# Allegro board Mic_Array_main_250pcs_release.brd (continued)
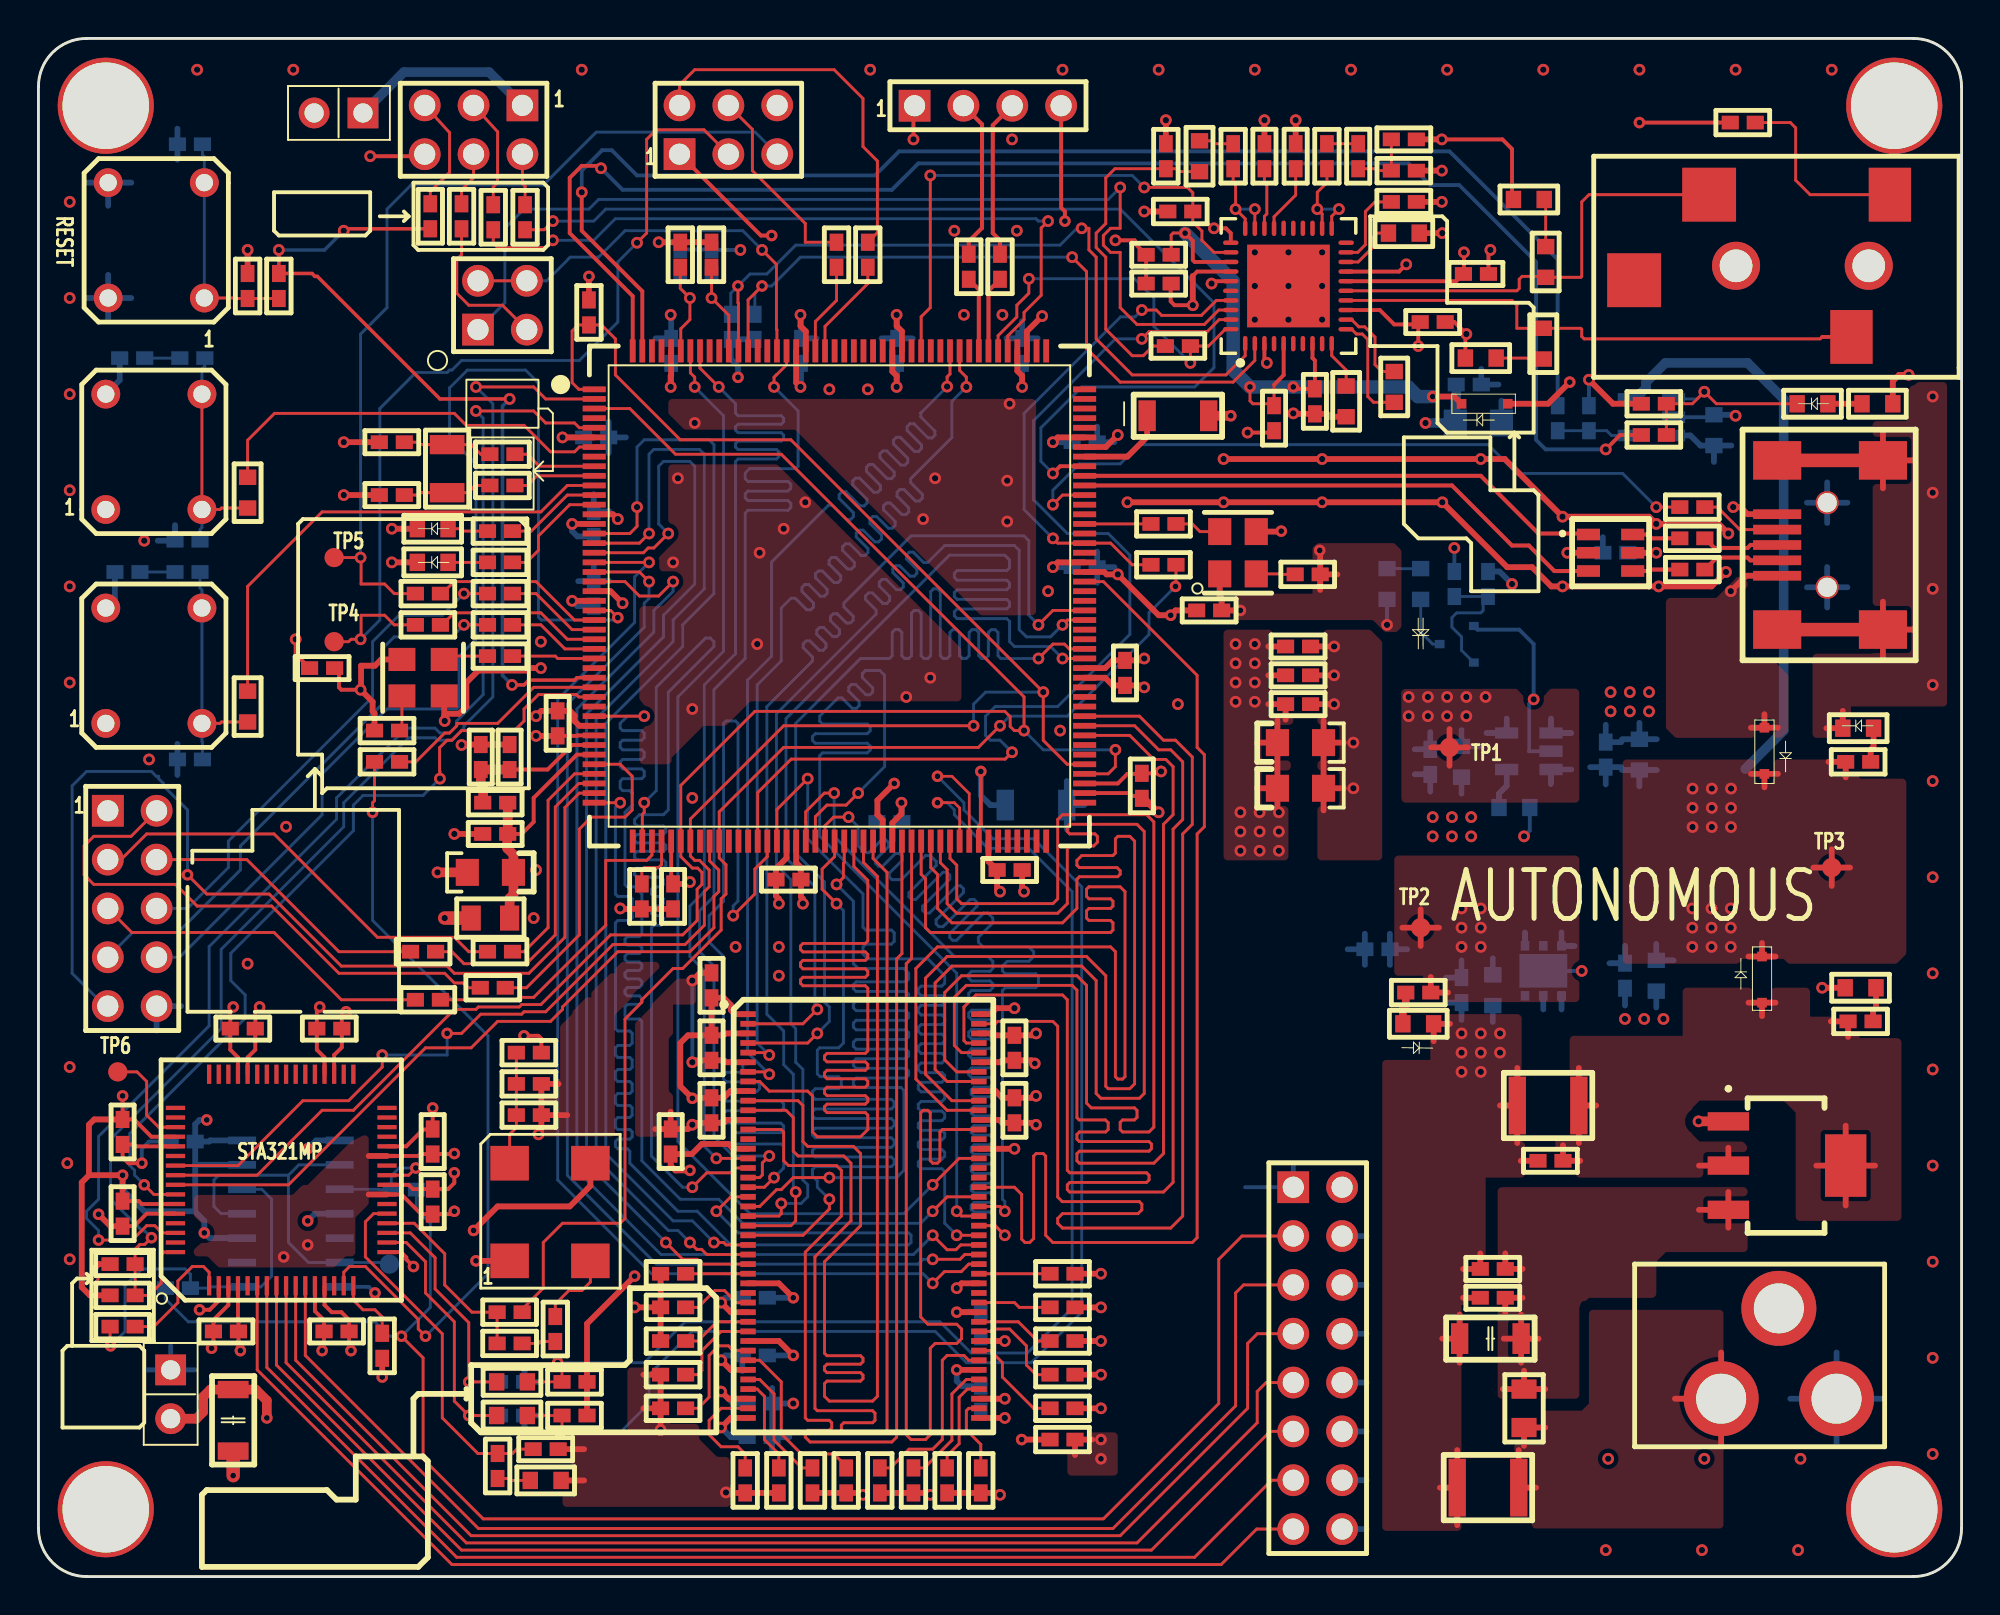
[diagram p0: board, top side]
## Routing (per net, layer and track width the routed paths; a pad name or vN(x,y) marks a point on that pad's centre or on a via; arc(x,y) is an arc through that point) (continued)
VDDA: length 13.2
  TOP w0.2: C51.2 25.12,38.62 25.75,39.25 25.75,40.5 28,42.75 U8.39
  TOP w0.5: R67.2 C51.2 24.38,38.6 24.38,37.88 24.7,37.55 C50.1 24.7,35.48 24.5,35.28 L2.2
BICKO: length 104.4
  TOP w0.15: U8.93 53.49,42.25 52.25,43.49 v2(52.25,46) 39.12,59.12 33.38,59.12 30,62.5 30,64.38 29.28,65.1 R119.2 28.07,65.1 27.75,64.78 27.75,62.1 28.1,61.75 U8.1 ; v2(48.62,44.25) 38.75,44.25 33.9,39.4 U8.51 33.9,37.47 34.12,37.25 34.38,37.25 34.88,36.75 34.88,35.88 34.62,35.62 34.62,33.88 33.62,32.88 29.88,32.88 26.38,29.38 25.25,29.38 25.12,29.25 23,29.25 22,28.25 v1(21.25,28.25) ; v1(17.88,27.12) 17.88,26.5 16.12,24.75 13.75,24.75 10.38,21.38 U12.55
  BOTTOM w0.15: v1(17.88,27.12) 21.25,27.12 v1(21.25,28.25) ; v2(48.62,44.25) 48.62,45.38 49.25,46 v2(52.25,46)
CKOUT: length 6.5
  TOP w0.15: U12.25 19.25,20.88 v1(19.62,21.25)
  BOTTOM w0.15: U14.3 17.68,20.14 17.7,20.12 R107.1 18.35,20.85 18.75,21.25 v1(19.62,21.25)
CKOUT_4: length 19.3
  TOP w0.15: v1(3.75,12) 3.72,12.03 R105.2
  BOTTOM w0.15: U14.12 11.61,20.14 12.12,19.62 12.12,15.62 11.56,15.06 U14.8 8.94,15.06 8.88,15 R106.1 7.9,15.72 7.62,16 5.38,16 4.5,15.12 4.5,12.75 v1(3.75,12)
FMC_A0: length 59.3
  TOP w0.15: U8.16 30.75,54.25 31.12,54.62 v2(31.12,55.62) ; U10.25 35.76,17.25 35.63,17.38 v2(35.12,17.38)
  BOTTOM w0.15: v2(35.12,17.38) 34,18.5 33,18.5 29.5,22 29.5,44.38 33.5,48.38 33.5,49.5 35.12,51.12 35.12,58.88 34.88,59.12 31.5,59.12 31.12,58.75 v2(31.12,55.62)
FMC_A1: length 59.2
  TOP w0.15: v2(31.75,54.25) 31.25,53.75 U8.17 ; v2(33.88,17.38) 34.23,17.02 34.48,17.02 34.75,16.75 U10.26
  BOTTOM w0.15: v2(33.88,17.38) 33.25,18 32.75,18 29,21.75 29,44.62 33,48.62 33,49.75 34.62,51.38 34.62,58.38 34.38,58.62 32,58.62 31.75,58.38 v2(31.75,54.25)
FMC_A2: length 59.2
  TOP w0.15: v2(32.62,17.38) 33.5,16.5 34.25,16.5 34.5,16.25 U10.27 ; U8.18 31.46,53.25 31.71,53.5 32,53.5 v2(32.75,54.25)
  BOTTOM w0.15: v2(32.75,54.25) 32.25,54.75 32.25,57.75 32.5,58 33.88,58 34.12,57.75 34.12,51.62 32.5,50 32.5,48.88 28.5,44.88 28.5,21.5 v2(32.62,17.38)
FMC_A3: length 61.5
  TOP w0.15: U10.60 48.38,16.25 47.98,15.86 47.11,15.86 v2(46.5,15.25) ; v2(31.75,52.75) U8.19
  BOTTOM w0.15: v2(46.5,15.25) 46,15.75 31.88,15.75 27,20.62 27,45.62 31,49.62 31,52 v2(31.75,52.75)
FMC_A4: length 59.2
  TOP w0.15: U10.61 48.17,16.75 47.92,16.5 v2(46.5,16.5) ; v2(31.75,51.75) 31.25,52.25 U8.20
  BOTTOM w0.15: v2(46.5,16.5) 45.99,16.5 45.74,16.25 32.12,16.25 27.5,20.88 27.5,45.38 31.5,49.38 31.5,50.62 31.75,50.88 v2(31.75,51.75)
FMC_A5: length 61
  TOP w0.15: U10.62 47.96,17.25 47.71,17 47.25,17 v2(46.5,17.75) ; v2(33,51.75) 32.25,51 31.25,51 30.5,51.75 U8.21
  BOTTOM w0.15: v2(33,51.75) 33,51.24 32.26,50.5 32.25,50.5 32,50.25 32,49.12 28,45.12 28,21.12 32.38,16.75 45.5,16.75 v2(46.5,17.75)
FMC_A6: length 60.8
  TOP w0.15: v2(47.75,17.75) U10.63 ; v2(40,41.5) 38.4,39.9 U8.60
  BOTTOM w0.15: v2(47.75,17.75) 47.12,18.38 47.12,21.06 46.98,21.21 45.9,21.21 45.75,21.36 45.75,21.56 45.9,21.71 46.98,21.71 47.12,21.86 47.12,22.06 46.98,22.21 45.9,22.21 45.75,22.36 45.75,22.56 45.9,22.71 46.98,22.71 47.12,22.86 47.12,23.06 46.98,23.21 45.9,23.21 45.75,23.36 45.75,23.56 45.9,23.71 46.98,23.71 47.12,23.86 47.12,24.06 46.98,24.21 45.9,24.21 45.75,24.36 45.75,24.56 45.9,24.71 46.98,24.71 47.12,24.86 47.12,25.06 46.98,25.21 45.9,25.21 45.75,25.36 45.75,25.56 45.9,25.71 46.98,25.71 47.12,25.86 47.12,26.06 46.98,26.21 45.9,26.21 45.75,26.36 45.75,26.56 45.9,26.71 46.98,26.71 47.12,26.86 47.12,27.06 46.98,27.21 45.9,27.21 45.75,27.36 45.75,27.56 45.9,27.71 46.98,27.71 47.12,27.86 47.12,28.06 46.98,28.21 45.9,28.21 45.75,28.36 45.75,28.56 45.9,28.71 46.98,28.71 47.12,28.86 47.12,29.06 46.98,29.21 45.9,29.21 45.75,29.36 45.75,29.56 45.9,29.71 46.98,29.71 47.12,29.86 47.12,30.06 46.98,30.21 45.9,30.21 45.75,30.36 45.75,30.56 45.9,30.71 46.98,30.71 47.12,30.86 47.12,31.25 46.25,32.12 43.12,32.12 42.88,32.38 42.88,32.74 43.02,32.89 44.35,32.89 44.5,33.04 44.5,33.48 44.35,33.62 43.02,33.62 42.88,33.77 42.88,35.5 40,38.38 v2(40,41.5)
FMC_A7: length 59
  TOP w0.15: U10.64 49.75,18.25 v2(50.25,17.75) ; U8.63 39.9,39.24 39.89,39.24 39.89,39.78 40.87,40.75 v2(41.38,40.75)
  BOTTOM w0.15: v2(41.38,40.75) 41.38,38.5 47.62,32.25 49.38,32.25 49.62,32 49.62,31.63 49.48,31.48 48.52,31.48 48.38,31.33 48.38,31.13 48.52,30.98 49.48,30.98 49.62,30.83 49.62,30.63 49.48,30.48 48.52,30.48 48.38,30.33 48.38,30.13 48.52,29.98 49.48,29.98 49.62,29.83 49.62,29.6 49.48,29.46 48.52,29.46 48.38,29.31 48.38,29.1 48.52,28.96 49.48,28.96 49.62,28.81 49.62,28.6 49.48,28.46 48.52,28.46 48.38,28.31 48.38,28.1 48.52,27.96 49.48,27.96 49.62,27.81 49.62,27.6 49.48,27.46 48.52,27.46 48.38,27.31 48.38,27.1 48.52,26.96 49.48,26.96 49.62,26.81 49.62,26.6 49.48,26.46 48.52,26.46 48.38,26.31 48.38,26.1 48.52,25.96 49.48,25.96 49.62,25.81 49.62,25.6 49.48,25.46 48.65,25.46 48.5,25.31 48.5,25.1 48.65,24.96 49.48,24.96 49.62,24.81 49.62,24.6 49.48,24.46 48.65,24.46 48.5,24.31 48.5,24.1 48.65,23.96 49.48,23.96 49.62,23.81 49.62,23.6 49.48,23.46 48.65,23.46 48.5,23.31 48.5,23.1 48.65,22.96 49.48,22.96 49.62,22.81 49.62,22.6 49.48,22.46 48.65,22.46 48.5,22.31 48.5,22.1 48.65,21.96 49.48,21.96 49.62,21.81 49.62,21.6 49.48,21.46 48.65,21.46 48.5,21.31 48.5,21.1 48.65,20.96 49.48,20.96 49.62,20.81 49.62,20.6 49.48,20.46 48.65,20.46 48.5,20.31 48.5,20.1 48.65,19.96 49.48,19.96 49.62,19.81 49.62,19.6 49.48,19.46 48.65,19.46 48.5,19.31 48.5,19.1 48.65,18.96 49.48,18.96 49.62,18.81 49.62,18.38 v2(50.25,17.75)
FMC_A8: length 59.2
  TOP w0.15: v2(47.75,19) 48,18.75 U10.65 ; U8.64 40.4,39.53 41,40.12 42,40.12 v2(42.62,40.75)
  BOTTOM w0.15: v2(42.62,40.75) 44,42.12 44,46.88 43.75,47.12 43,47.12 42.84,46.97 42.84,46.76 43.38,46.22 43.38,46.01 43.24,45.86 43.03,45.86 42.49,46.41 42.28,46.41 42.13,46.26 42.13,46.05 42.68,45.51 42.68,45.3 42.53,45.15 42.32,45.15 41.78,45.7 41.57,45.7 40.62,44.75 40.62,44.49 40.77,44.34 43.1,44.34 43.25,44.2 43.25,43.99 43.1,43.84 40.4,43.84 40.25,43.7 40.25,43.49 40.4,43.34 43.1,43.34 43.25,43.2 43.25,42.99 43.1,42.84 40.77,42.84 40.62,42.7 40.62,38.5 47.75,31.38 v2(47.75,19)
FMC_A9: length 59.2
  TOP w0.15: v2(42.12,39.5) 41.35,39.5 40.9,39.05 U8.65 ; U10.66 50,19.25 v2(50.25,19)
  BOTTOM w0.15: v2(42.12,39.5) 42.62,39 42.62,38 42.98,37.65 43.18,37.65 43.85,38.32 44.06,38.32 44.21,38.17 44.21,37.96 43.54,37.29 43.54,37.09 43.68,36.94 43.89,36.94 44.56,37.61 44.77,37.61 44.91,37.46 44.91,37.26 44.24,36.59 44.24,36.38 44.38,36.25 44.88,36.25 46.12,37.5 46.38,37.5 46.68,37.19 46.68,36.99 45.26,35.57 45.26,35.36 45.41,35.21 45.62,35.21 47.04,36.63 47.24,36.63 47.39,36.49 47.39,36.28 45.97,34.86 45.97,34.65 46.12,34.51 46.33,34.51 47.74,35.92 47.95,35.92 48.1,35.78 48.1,35.57 46.68,34.15 46.68,33.95 46.83,33.8 47.03,33.8 48.45,35.22 48.66,35.22 48.8,35.07 48.8,34.86 47.39,33.45 47.39,33.24 47.53,33.09 47.74,33.09 49.16,34.51 49.36,34.51 49.62,34.25 49.62,34 48.88,33.25 48.88,33 49.12,32.75 51.5,32.75 51.75,32.5 51.75,32.25 51.5,32 50.38,32 50.12,31.75 50.12,31.5 50.27,31.36 51.85,31.36 52,31.21 52,30.77 51.85,30.62 50.27,30.62 50.12,30.48 50.12,19.63 50.25,19.51 v2(50.25,19)
FMC_A10: length 61.2
  TOP w0.15: U8.66 41.4,37.45 40.75,36.8 40.75,35.75 v2(41.5,35) ; v2(41.12,19.62) 41.12,19.12 39.76,17.75 U10.24
  BOTTOM w0.15: v2(41.12,19.62) 40.5,20.25 40.5,20.58 40.25,20.83 40.25,21.17 40.4,21.32 44.35,21.32 44.5,21.47 44.5,21.67 44.35,21.82 40.4,21.82 40.25,21.97 40.25,22.17 40.4,22.32 44.35,22.32 44.5,22.47 44.5,22.67 44.35,22.82 40.4,22.82 40.25,22.97 40.25,23.17 40.4,23.32 44.35,23.32 44.5,23.47 44.5,23.67 44.35,23.82 40.4,23.82 40.25,23.97 40.25,24.17 40.4,24.32 44.35,24.32 44.5,24.47 44.5,24.67 44.35,24.82 40.4,24.82 40.25,24.97 40.25,25.23 40.4,25.38 41.6,25.38 41.75,25.52 41.75,25.85 41.6,26 40.65,26 40.5,26.15 40.5,27.38 40.62,27.5 41.61,27.5 41.86,27.75 41.86,34.64 v2(41.5,35)
FMC_A11: length 61.3
  TOP w0.15: v2(41.12,20.75) 39.25,20.75 38.62,20.12 38.38,20.12 37.5,19.25 U10.21 ; v2(41.5,36) 41.86,36.36 41.86,37.11 41.9,37.15 U8.67
  BOTTOM w0.15: v2(41.12,20.75) 44.62,20.75 45,21.12 45,25.29 44.85,25.43 42.52,25.43 42.38,25.58 42.38,25.79 42.52,25.93 45.1,25.93 45.25,26.08 45.25,26.29 45.1,26.43 42.52,26.43 42.38,26.58 42.38,26.79 42.52,26.93 45.1,26.93 45.25,27.08 45.25,27.29 45.1,27.43 42.52,27.43 42.38,27.58 42.38,27.79 42.52,27.93 45.1,27.93 45.25,28.08 45.25,28.29 45.1,28.43 42.52,28.43 42.38,28.58 42.38,28.79 42.52,28.93 45.1,28.93 45.25,29.08 45.25,29.29 45.1,29.43 42.52,29.43 42.38,29.58 42.38,29.79 42.52,29.93 45.1,29.93 45.25,30.08 45.25,30.29 45.1,30.43 42.52,30.43 42.38,30.58 42.38,30.79 42.52,30.93 45.1,30.93 45.25,31.08 45.25,31.38 45,31.62 42.62,31.62 42.38,31.88 42.38,35.12 v2(41.5,36)
FMC_BA0: length 61.1
  TOP w0.15: v2(53.25,49.5) 53.5,49.75 U8.108 ; U10.22 38.5,18.75 38.62,18.88 v2(38.62,19.4)
  BOTTOM w0.15: v2(38.62,19.4) 39.65,19.4 40,19.75 40,20.38 39.75,20.62 39.75,26.38 39.38,26.75 39.38,28.5 39.12,28.75 39.12,36.25 38.38,37 38.38,44.88 43.56,50.06 43.56,50.26 43.01,50.81 43.01,51.01 43.16,51.16 43.37,51.16 43.91,50.62 44.12,50.62 44.26,50.76 44.26,50.97 43.72,51.51 43.72,51.72 43.87,51.87 44.08,51.87 44.62,51.33 44.83,51.33 44.97,51.47 44.97,51.68 44.43,52.22 44.43,52.43 44.58,52.58 44.78,52.58 45.33,52.03 45.53,52.03 45.68,52.18 45.68,52.39 45.14,52.93 45.14,53.14 45.28,53.28 45.49,53.28 46.03,52.74 46.24,52.74 47.12,53.62 50.75,53.62 51,53.38 51,49.25 51.38,48.88 52.62,48.88 v2(53.25,49.5)
FMC_BA1: length 60.6
  TOP w0.15: v2(52,49.5) 52.75,50.25 U8.109 ; v2(39.38,20) 39.38,18.5 39.12,18.25 U10.23
  BOTTOM w0.15: v2(52,49.5) 51.5,50 51.5,53.88 51.25,54.12 45.38,54.12 41.89,50.64 41.89,50.43 42.37,49.95 42.37,49.74 42.25,49.62 42.18,49.59 42.01,49.59 41.53,50.08 41.33,50.08 41.18,49.93 41.18,49.72 41.66,49.24 41.66,49.03 41.51,48.89 41.31,48.89 40.82,49.37 40.62,49.37 40.47,49.22 40.47,49.01 40.95,48.53 40.95,48.33 40.81,48.18 40.6,48.18 40.12,48.66 39.91,48.66 39.76,48.51 39.76,48.31 40.24,47.83 40.24,47.62 37.88,45.25 37.88,36.54 37.88,29.25 38.75,28.38 38.75,26.62 39.25,26.12 39.25,20.13 39.37,20.02 v2(39.38,20)
FMC_D0: length 59.7
  TOP w0.15: U10.2 39.75,28.75 v2(40.5,29.5) ; U8.104 v2(53.25,47.75)
  BOTTOM w0.15: v2(40.5,29.5) 40.5,29.51 40.38,29.63 40.38,35.88 38.88,37.38 38.88,44.62 47.38,53.12 50.25,53.12 50.5,52.88 50.5,52.47 50.35,52.33 47.77,52.33 47.62,52.18 47.62,51.97 47.77,51.83 50.35,51.83 50.5,51.68 50.5,51.47 50.35,51.33 47.77,51.33 47.62,51.18 47.62,50.97 47.77,50.83 50.35,50.83 50.5,50.68 50.5,50.47 50.35,50.33 47.77,50.33 47.62,50.18 47.62,49.97 47.77,49.83 50.35,49.83 50.5,49.68 50.5,48.62 50.75,48.38 52.62,48.38 v2(53.25,47.75)
FMC_D1: length 59.9
  TOP w0.15: U8.105 53.6,48.25 53.35,48.5 52.75,48.5 v2(52,47.75) ; U10.4 40,27.75 v2(40.5,28.25)
  BOTTOM w0.15: v2(40.5,28.25) 41.12,28.88 41.12,29.62 40.88,29.88 40.88,35.54 40.88,35.54 40.88,35.96 40.88,35.96 40.88,36.12 39.38,37.62 39.38,44.38 42.75,47.75 44.25,47.75 44.4,47.9 44.4,49.1 44.54,49.25 44.75,49.25 44.9,49.1 44.9,47.9 45.04,47.75 45.25,47.75 45.4,47.9 45.4,50.1 45.54,50.25 45.75,50.25 45.9,50.1 45.9,47.9 46.04,47.75 46.25,47.75 46.4,47.9 46.4,51.23 46.54,51.38 46.75,51.38 46.9,51.23 46.9,47.9 47.04,47.75 47.25,47.75 47.4,47.9 47.4,49.1 47.54,49.25 47.75,49.25 47.9,49.1 47.9,47.9 48.04,47.75 48.25,47.75 48.4,47.9 48.4,49.1 48.54,49.25 48.75,49.25 48.9,49.1 48.9,47.9 49.04,47.75 49.25,47.75 49.4,47.9 49.4,49.1 49.54,49.25 49.75,49.25 49.9,49.1 49.9,47.9 50.04,47.75 v2(52,47.75)
FMC_D2: length 60.3
  TOP w0.15: v2(48.25,61.88) 48.25,62.38 47.9,62.73 U8.142 ; v2(38,27.12) 37.88,27.25 U10.5
  BOTTOM w0.15: v2(48.25,61.88) 47.5,61.12 47.5,59.25 45.36,57.11 45.36,56.9 45.96,56.29 45.96,56.09 45.81,55.94 45.61,55.94 45,56.55 44.8,56.55 44.65,56.4 44.65,56.19 45.25,55.59 45.25,55.38 45.11,55.23 44.9,55.23 44.3,55.84 44.09,55.84 43.94,55.69 43.94,55.48 44.55,54.88 44.55,54.67 44.4,54.53 44.19,54.53 43.59,55.13 43.38,55.13 43.23,54.98 43.23,54.78 43.84,54.17 43.84,53.96 43.69,53.82 43.49,53.82 42.88,54.42 42.67,54.42 42.53,54.28 42.53,54.07 43.13,53.46 43.13,53.26 42.99,53.11 42.78,53.11 42.17,53.72 41.97,53.72 41.82,53.57 41.82,53.36 42.43,52.76 42.43,52.55 42.28,52.4 42.07,52.4 41.47,53.01 41.26,53.01 41.11,52.86 41.11,52.66 41.72,52.05 41.72,51.84 41.57,51.7 41.36,51.7 40.76,52.3 40.55,52.3 40.41,52.16 40.41,51.95 41.01,51.34 41.01,51.14 40.86,50.99 40.66,50.99 40.05,51.59 39.84,51.59 39.7,51.45 39.7,51.24 40.3,50.64 40.3,50.43 40.16,50.28 39.95,50.28 39.34,50.89 39.14,50.89 38.62,50.38 38.62,47.62 37.38,46.38 37.38,27.75 v2(38,27.12)
FMC_D3: length 59.9
  TOP w0.15: U10.7 37.88,26.25 v2(38,26.12) ; U8.143 47.4,62.55 47.25,62.4 v2(47.25,61.89)
  BOTTOM w0.15: v2(38,26.12) 36.88,27.25 36.88,46.62 38.12,47.88 38.12,52.77 41.08,55.72 41.28,55.72 42.02,54.98 42.23,54.98 42.38,55.13 42.38,55.33 41.64,56.07 41.64,56.28 41.78,56.42 41.99,56.42 42.73,55.69 42.94,55.69 43.08,55.83 43.08,56.04 42.34,56.78 42.34,56.99 42.49,57.13 42.7,57.13 43.44,56.39 43.64,56.39 43.79,56.54 43.79,56.75 43.05,57.49 43.05,57.69 43.2,57.84 43.4,57.84 44.14,57.1 44.35,57.1 44.5,57.25 44.5,57.45 43.76,58.19 43.76,58.4 43.91,58.55 44.11,58.55 44.85,57.81 45.06,57.81 45.2,57.95 45.2,58.16 44.47,58.9 44.47,59.11 44.61,59.25 44.82,59.25 45.56,58.52 45.77,58.52 45.91,58.66 45.91,58.87 45.17,59.61 45.17,59.81 45.32,59.96 45.53,59.96 46.27,59.22 46.47,59.22 46.62,59.37 46.62,59.58 45.88,60.31 45.88,60.52 v2(47.25,61.89)
FMC_D4: length 60.9
  TOP w0.15: U10.8 37.5,25.75 38,25.25 40,25.25 40.25,25 40.25,23.12 40.5,22.88 42.75,22.88 43.12,23.25 43.12,24 43,24.13 41,24.13 40.88,24.26 40.88,24.44 41,24.57 43,24.57 43.12,24.7 43.12,24.88 43,25.01 41,25.01 40.88,25.14 40.88,25.32 41,25.45 43,25.45 43.12,25.58 43.12,25.76 43,25.89 41,25.89 40.88,26.02 40.88,26.2 41,26.33 43,26.33 43.12,26.46 43.12,26.64 43,26.77 41,26.77 40.88,26.9 40.88,27.08 41,27.21 43,27.21 43.12,27.34 43.12,30.6 43,30.73 39.75,30.73 39.62,30.86 39.62,31.04 39.75,31.17 43,31.17 43.12,31.3 43.12,31.48 43,31.61 39.75,31.61 39.62,31.74 39.62,31.92 39.75,32.05 43,32.05 43.12,32.18 43.12,32.36 43,32.49 39.75,32.49 39.62,32.62 39.62,32.8 39.75,32.93 43,32.93 43.12,33.06 43.12,36.21 42.4,36.94 U8.68
FMC_D5: length 61
  TOP w0.15: U10.10 39.5,24.75 39.75,24.5 39.75,22.62 40,22.38 42.38,22.38 42.75,22 42.75,18.25 40.88,16.38 40.88,11.61 41,11.49 42.75,11.49 42.88,11.36 42.88,11.17 42.75,11.05 41,11.05 40.88,10.92 40.88,10.73 41,10.61 42.75,10.61 42.88,10.48 42.88,10.29 42.75,10.17 41,10.17 40.88,10.04 40.88,9.38 41.12,9.12 43.38,9.12 43.62,9.38 43.62,36.42 42.9,37.14 U8.69
FMC_D6: length 60.2
  TOP w0.15: U8.70 43.4,37.35 44.12,36.63 44.12,7.62 44,7.5 41.88,7.5 41.75,7.62 41.75,7.88 41.88,8 43.38,8 43.5,8.12 43.5,8.5 43.38,8.62 40.5,8.62 40.38,8.75 40.38,16.62 42.25,18.5 42.25,21.5 41.88,21.88 39.5,21.88 39.25,22.12 39.25,23.88 38.88,24.25 U10.11
FMC_D7: length 59.8
  TOP w0.15: U10.13 38.62,23.25 38.75,23.12 38.75,21.62 39,21.38 41.5,21.38 41.75,21.12 41.75,18.75 39.88,16.88 39.88,8.25 40,8.12 41.12,8.12 41.25,8 41.25,7.74 41.12,7.61 40,7.61 39.88,7.48 39.88,7.25 40.12,7 44.38,7 44.62,7.25 44.62,32.12 44.9,32.4 U8.73
FMC_D8: length 59.6
  TOP w0.15: U8.74 45.4,32.15 45.12,31.88 45.12,7.38 45.38,7.12 46.12,7.12 46.38,7.38 46.38,11.88 46.62,12.12 47.75,12.12 48,12.38 48,12.88 47.75,13.12 46.25,13.12 45.88,13.5 45.88,24.12 46,24.25 46.25,24.25 46.38,24.12 46.38,21.63 46.5,21.5 46.75,21.5 46.88,21.63 46.88,23.12 47,23.25 U10.74
FMC_D9: length 59.8
  TOP w0.15: U10.76 47.25,24.25 45.62,25.87 45.62,31.62 46.75,32.75 55.75,32.75 56,32.5 56,26 56.12,25.88 56.38,25.88 56.5,26 56.5,35.62 56.25,35.88 54.62,35.88 54.5,35.75 54.5,35.38 54.62,35.25 55.75,35.25 55.88,35.12 55.88,34.88 55.75,34.75 54.62,34.75 54.5,34.62 54.5,34.25 54.62,34.12 55.75,34.12 55.88,34 55.88,33.62 55.75,33.5 46.38,33.5 46.12,33.75 46.12,36.3 45.9,36.53 U8.75
FMC_D10: length 60.9
  TOP w0.15: U10.77 47.5,24.75 46.12,26.12 46.12,31.12 47.25,32.25 54.5,32.25 55.5,31.25 55.5,25.5 55.62,25.38 56.75,25.38 57,25.62 57,38.25 56.75,38.5 56.13,38.5 56,38.37 56,37.63 55.87,37.5 54.25,37.5 54,37.25 54,37 54.13,36.88 56.09,36.88 56.25,36.71 56.25,36.53 56.12,36.4 54.13,36.4 54,36.27 54,34.75 53.25,34 47.5,34 46.75,34.75 46.75,36.53 46.4,36.88 U8.76
FMC_D11: length 59.3
  TOP w0.15: U8.77 46.9,37.12 47.25,36.78 47.25,35 47.75,34.5 53,34.5 53.5,35 53.5,37.87 53.63,38 54.87,38 55.06,38.19 55.06,38.5 54.94,38.63 53.62,38.63 53.5,38.75 53.5,39 53.62,39.12 57.12,39.12 57.5,38.75 57.5,25.12 57.25,24.88 55.25,24.88 55,25.12 55,31 54.25,31.75 47.5,31.75 46.62,30.88 46.62,26.38 47.25,25.75 U10.79
FMC_D12: length 59.9
  TOP w0.15: U8.78 47.4,37.35 47.75,37 47.75,35.25 48,35 52.75,35 53,35.25 53,39.38 53.25,39.62 57.62,39.62 58,39.25 58,23.38 57.75,23.12 56.38,23.12 56.25,23.25 56.25,23.63 56.37,23.75 56.99,23.75 57.12,23.88 57.12,24.25 57,24.38 54.75,24.38 54.5,24.63 54.5,30.75 54,31.25 48,31.25 47.12,30.38 47.12,26.88 47.75,26.25 U10.80
FMC_D13: length 60.3
  TOP w0.15: U8.96 56.75,43.75 58,42.5 58.62,42.5 59,42.12 59,39.62 58.5,39.12 58.5,22 58,21.5 54.12,21.5 54,21.62 54,22 54.13,22.12 57.75,22.12 57.88,22.25 57.88,22.5 57.75,22.62 54.13,22.62 54,22.75 54,23 54.13,23.12 55.5,23.12 55.62,23.25 55.62,23.61 55.48,23.75 54.12,23.75 54,23.87 54,30.5 53.75,30.75 48.25,30.75 47.62,30.12 47.62,27.62 48,27.25 U10.82
FMC_D14: length 60.1
  TOP w0.15: U10.83 48.25,27.75 48.12,27.88 48.12,29.62 48.75,30.25 53.25,30.25 53.5,30 53.5,21.13 53.63,21 57.62,21 57.75,20.87 57.75,20.63 57.62,20.5 53.63,20.5 53.5,20.37 53.5,20.12 53.62,20 58.5,20 59,20.5 59,38.88 59.5,39.38 59.5,42.38 58.88,43 58.25,43 57,44.25 U8.97
FMC_D15: length 60.2
  TOP w0.15: U8.98 57.25,44.75 58.5,43.5 59.12,43.5 60,42.62 60,39.12 59.5,38.62 59.5,18.75 58.88,18.12 53.25,18.12 53,18.38 53,18.62 53.25,18.88 57.18,18.88 57.38,19.07 57.38,19.37 57.25,19.5 53.24,19.5 53,19.74 53,28.62 52.75,28.88 49.88,28.88 49.75,28.75 U10.85
FMC_NBL0: length 59.6
  TOP w0.15: U10.16 v2(35.25,21.75) ; U8.169 34.4,62.85 v2(35.38,61.88)
  BOTTOM w0.15: v2(35.38,61.88) 36.25,61 36.25,60.5 36.38,60.38 38.62,60.38 38.75,60.25 38.75,60.06 38.62,59.94 36.38,59.94 36.25,59.81 36.25,59.62 36.38,59.5 38.62,59.5 38.75,59.37 38.75,59.18 38.62,59.06 36.38,59.06 36.25,58.93 36.25,58.74 36.38,58.62 38.38,58.62 38.5,58.5 38.5,58.25 38.38,58.12 36.38,58.12 36.25,58 36.25,48 34.62,46.38 34.62,35.62 33.88,34.88 33.88,32.25 34.62,31.5 34.62,22.38 v2(35.25,21.75)
FMC_NBL1: length 61.3
  TOP w0.15: v2(34.12,61.88) 34.12,62.38 33.9,62.61 U8.170 ; v2(46.5,20.38) 47.88,21.75 U10.71
  BOTTOM w0.15: v2(34.12,61.88) 35.62,60.38 35.62,48.12 33.25,45.75 33.25,36.38 33.12,36.25 33.12,35.75 33.25,35.62 33.25,22.62 37,18.88 45,18.88 v2(46.5,20.38)
FMC_SDCKE0: length 61.2
  TOP w0.15: v2(31.5,44.75) U8.35 ; v2(46.5,19) 47.25,19.75 U10.67
  BOTTOM w0.15: v2(46.5,19) 45.88,18.38 36.62,18.38 35.38,19.62 33.38,19.62 31.38,21.62 31.38,28.87 31.25,29 30.68,29 30.5,29.18 30.5,29.63 30.63,29.76 31.25,29.76 31.38,29.89 31.38,30.07 31.25,30.2 30.63,30.2 30.5,30.33 30.5,30.51 30.63,30.64 31.25,30.64 31.38,30.77 31.38,30.95 31.25,31.08 30.63,31.08 30.5,31.21 30.5,31.39 30.63,31.52 31.25,31.52 31.38,31.65 31.38,31.83 31.25,31.96 30.63,31.96 30.5,32.09 30.5,32.27 30.63,32.4 31.25,32.4 31.38,32.53 31.38,32.71 31.25,32.84 30.63,32.84 30.5,32.97 30.5,33.15 30.63,33.28 31.25,33.28 31.38,33.41 31.38,35.5 31,35.88 30.61,35.88 30.5,35.98 30.5,39.75 30.88,40.12 30.88,40.75 30.75,40.88 30.38,40.88 30.25,41 30.25,41.37 30.38,41.5 31.37,41.5 31.5,41.63 31.5,41.88 31.37,42.01 30.38,42.01 30.25,42.14 30.25,42.37 30.38,42.5 31.37,42.5 31.5,42.63 31.5,42.87 31.37,43 30.38,43 30.25,43.13 30.25,43.37 30.38,43.5 31.37,43.5 31.5,43.63 31.5,43.87 31.37,44 30.38,44 30.25,44.13 30.25,44.37 30.63,44.75 v2(31.5,44.75)
FMC_SDCLK: length 60.2
  TOP w0.15: U8.112 55.38,51.75 60.25,46.88 60.25,43.12 60.62,42.75 60.62,39 60.25,38.62 60.25,17.62 60,17.38 52.75,17.38 52.38,17.75 52.38,21.87 52.25,22 51.88,22 51.75,21.87 51.75,17.58 51.55,17.38 51.3,17.38 51.12,17.55 51.12,19.88 50.75,20.25 U10.68
FMC_SDNCAS: length 59.5
  TOP w0.15: U8.160 38.9,63.03 38.38,62.5 38.37,62.5 38.25,62.38 v2(38.25,61.88) ; v2(38,21.88) 37.64,21.52 37.64,20.89 37.5,20.75 U10.18
  BOTTOM w0.15: v2(38.25,61.88) 39.5,60.62 39.5,57.75 39.37,57.62 36.98,57.62 36.75,57.39 36.75,57.11 36.9,56.96 38.98,56.96 39.12,56.81 39.12,56.61 38.98,56.46 36.9,56.46 36.75,56.31 36.75,56.11 36.9,55.96 38.98,55.96 39.12,55.81 39.12,55.61 38.98,55.46 36.9,55.46 36.75,55.31 36.75,47.75 35.12,46.12 35.12,35.38 34.38,34.62 34.38,32.5 35.12,31.75 35.12,22.88 36.12,21.88 v2(38,21.88)
FMC_SDNE0: length 59
  TOP w0.15: U10.20 36,19.75 v2(35.25,19) ; U8.44 v2(30.25,40.25)
  BOTTOM w0.15: v2(30.25,40.25) 30,40 30,35.5 30.12,35.38 30.75,35.38 30.88,35.25 30.88,34.25 30.75,34.12 30.13,34.12 30,34 30,28.5 30.12,28.38 30.75,28.38 30.88,28.25 30.88,27.75 30.75,27.62 30.12,27.62 30,27.5 30,27.12 30.12,27 30.75,27 30.88,26.88 30.88,26.5 30.75,26.38 30.12,26.38 30,26.25 30,25.88 30.12,25.75 30.75,25.75 30.88,25.62 30.88,25.25 30.75,25.12 30.12,25.12 30,25 30,24.62 30.12,24.5 30.75,24.5 30.88,24.38 30.88,24 30.75,23.88 30.12,23.88 30,23.75 30,23.38 30.12,23.25 30.75,23.25 30.88,23.12 30.88,22.88 30.75,22.75 30.12,22.75 30,22.62 30,22.38 30.12,22.25 30.62,22.25 30.75,22.12 30.75,21.5 33.25,19 34.25,19 36,17.25 45.25,17.25 45.38,17.38 45.38,17.75 45.25,17.88 36.38,17.88 v2(35.25,19)
FMC_SDNRAS: length 60.4
  TOP w0.15: v2(38.25,20.75) 37.75,20.25 U10.19 ; v2(36.12,34.38) 37.25,35.5 37.25,36.8 37.9,37.45 U8.59
  BOTTOM w0.15: v2(36.12,34.38) 36.12,34.88 36.38,35.13 36.38,44.38 36.25,44.5 35.75,44.5 35.62,44.38 35.62,35.12 34.88,34.38 34.88,33 35.62,32.25 35.62,27 35.9,26.73 36.48,26.73 36.62,26.58 36.62,26.38 36.48,26.23 35.77,26.23 35.62,26.08 35.62,25.88 35.77,25.73 37.35,25.73 37.5,25.58 37.5,25.38 37.35,25.23 35.77,25.23 35.62,25.08 35.62,24.88 35.77,24.73 38.6,24.73 38.75,24.58 38.75,24.38 38.6,24.23 35.77,24.23 35.62,24.08 35.62,23.73 35.77,23.59 38.6,23.59 38.75,23.44 38.75,23.23 38.6,23.09 36.27,23.09 36.12,22.94 36.12,22.63 36.25,22.5 38.62,22.5 38.75,22.37 38.75,21.25 v2(38.25,20.75)
FMC_SDNWE: length 60.3
  TOP w0.15: v2(31.5,40.25) 31.5,39.74 31.4,39.64 U8.46 ; U10.17 36.25,21.25 36,21 34.75,21 v2(34,20.25)
  BOTTOM w0.15: v2(31.5,40.25) 32.12,40.88 32.12,46.25 34.69,48.81 34.94,48.81 35.12,48.62 35.12,48.38 32.75,46 32.75,39.88 32.5,39.62 31.25,39.62 31,39.38 31,39.17 31.13,39.04 32.5,39.04 32.62,38.91 32.62,38.73 32.5,38.6 31.13,38.6 31,38.47 31,38.29 31.13,38.16 32.5,38.16 32.62,38.03 32.62,37.85 32.5,37.72 31.13,37.72 31,37.59 31,37.41 31.13,37.28 32.5,37.28 32.62,37.15 32.62,36.97 32.5,36.84 31.13,36.84 31,36.71 31,36.5 31.13,36.38 32.38,36.38 32.5,36.25 32.5,36 32.37,35.88 32,35.88 31.88,35.75 31.88,35.5 32,35.38 32.37,35.38 32.5,35.25 32.5,35 32.37,34.88 32,34.88 31.88,34.75 31.88,34.5 32,34.38 32.37,34.38 32.5,34.25 32.5,34 32.37,33.88 32,33.88 31.88,33.75 31.88,21.87 33.49,20.25 v2(34,20.25)
I2C2_SCL: length 65.9
  TOP w0.14: v1(27,11.12) 27.22,10.9 R116.1 R12.1 ; U8.79 47.9,39.97 47.62,40.25 v1(46.75,40.25)
  BOTTOM w0.15: v1(27,11.12) 31.5,11.12 33.62,13.25 46.88,13.25 48.5,11.62 51.42,11.62 53.75,13.96 53.75,35.62 51.5,37.88 49.38,37.88 47.62,39.62 47.62,39.88 47.25,40.25 v1(46.75,40.25)
I2C2_SDA: length 71.4
  TOP w0.14: v1(46.75,41.62) 47.5,41.62 48.4,40.72 U8.80 ; R13.2 R117.1 27.22,7.6 v1(27.12,7.5)
  BOTTOM w0.14: 31.75,10.5 31.75,9 30.25,7.5 v1(27.12,7.5)
  BOTTOM w0.15: 31.75,10.5 34,12.75 46.62,12.75 48.25,11.12 51.62,11.12 54.25,13.75 54.25,35.88 51.75,38.38 49.62,38.38 48.12,39.88 48.12,40.25 v1(46.75,41.62)
I2S2_CKIN: length 2.4
  TOP w0.15: X3.3 60.4,54.35 60,54.75 R115.1
LED_USER1: length 5
  TOP w0.15: U8.12 27.5,56.25 25.62,54.38 R64.2
LED_USER2: length 5.9
  TOP w0.15: R65.2 25.38,52.75 26,53.38 26,54.12 27.62,55.75 U8.13
LRCKO: length 98.6
  TOP w0.15: v2(56,43) 56,42.12 55.63,41.75 U8.92 ; U8.3 30.75,60.75 33.12,58.38 38.62,58.38 51.25,45.75 v2(51.25,44) 50.74,44 50.53,44.21 50.53,44.72 50.25,45 37.25,45 33.4,41.15 U8.50 33.4,37.45 34,36.85 34.28,36.85 34.5,36.62 34.5,36 34.25,35.75 34.25,34.12 33.5,33.38 29.75,33.38 26.12,29.75 25.12,29.75 25,29.62 22.88,29.62 22.75,29.5 21.62,29.5 16.38,24.25 14.75,24.25 11.38,20.88 U12.56
  BOTTOM w0.15: v2(56,43) 52.25,43 v2(51.25,44)
MCLK: length 63
  TOP w0.15: v1(59.12,51.5) 59.15,51.53 R95.2 ; v2(50,44.25) 48.88,43.12 38.75,43.12 35.4,39.78 U8.54 35.4,37.37 35.75,37.03 35.75,35.5 35.5,35.25 35.5,33.62 33.5,31.62 33,31.62 31.38,30 31.38,29.88 30.5,29 30.5,18.62 30.25,18.38 27.25,18.38 26.25,17.38 26.25,15 25.15,13.9 R104.2
  BOTTOM w0.15: v1(59.12,51.5) 57.75,50.12 57.75,49 53.5,44.75 50.5,44.75 v2(50,44.25)
MIC_CK: length 86.1
  TOP w0.15: v1(18.88,12.5) 20,11.38 20,6.12 23.12,3 55.38,3 61.38,9 61.38,16.5 62.59,17.71 J6.3
  BOTTOM w0.15: R107.2 19.65,19.1 20.38,18.38 20.38,14 v1(18.88,12.5) 18.25,12.5 17.5,13.25 7.79,13.25 6.6,14.44 R106.2